# Altium PCB keyboard.PcbDoc (part 2 of 2)
Units mil, origin at the board's own origin, x right, y up, seen from the top; angles counter-clockwise.
Board outline 13687.52 x 5395.09 mil, 2 copper layers (Top Layer, Bottom Layer), stack 61.89 mil thick; 335 components, 198 nets, 879 pads, 640 vias.
Unrouted connection lines stored in the file: 435.
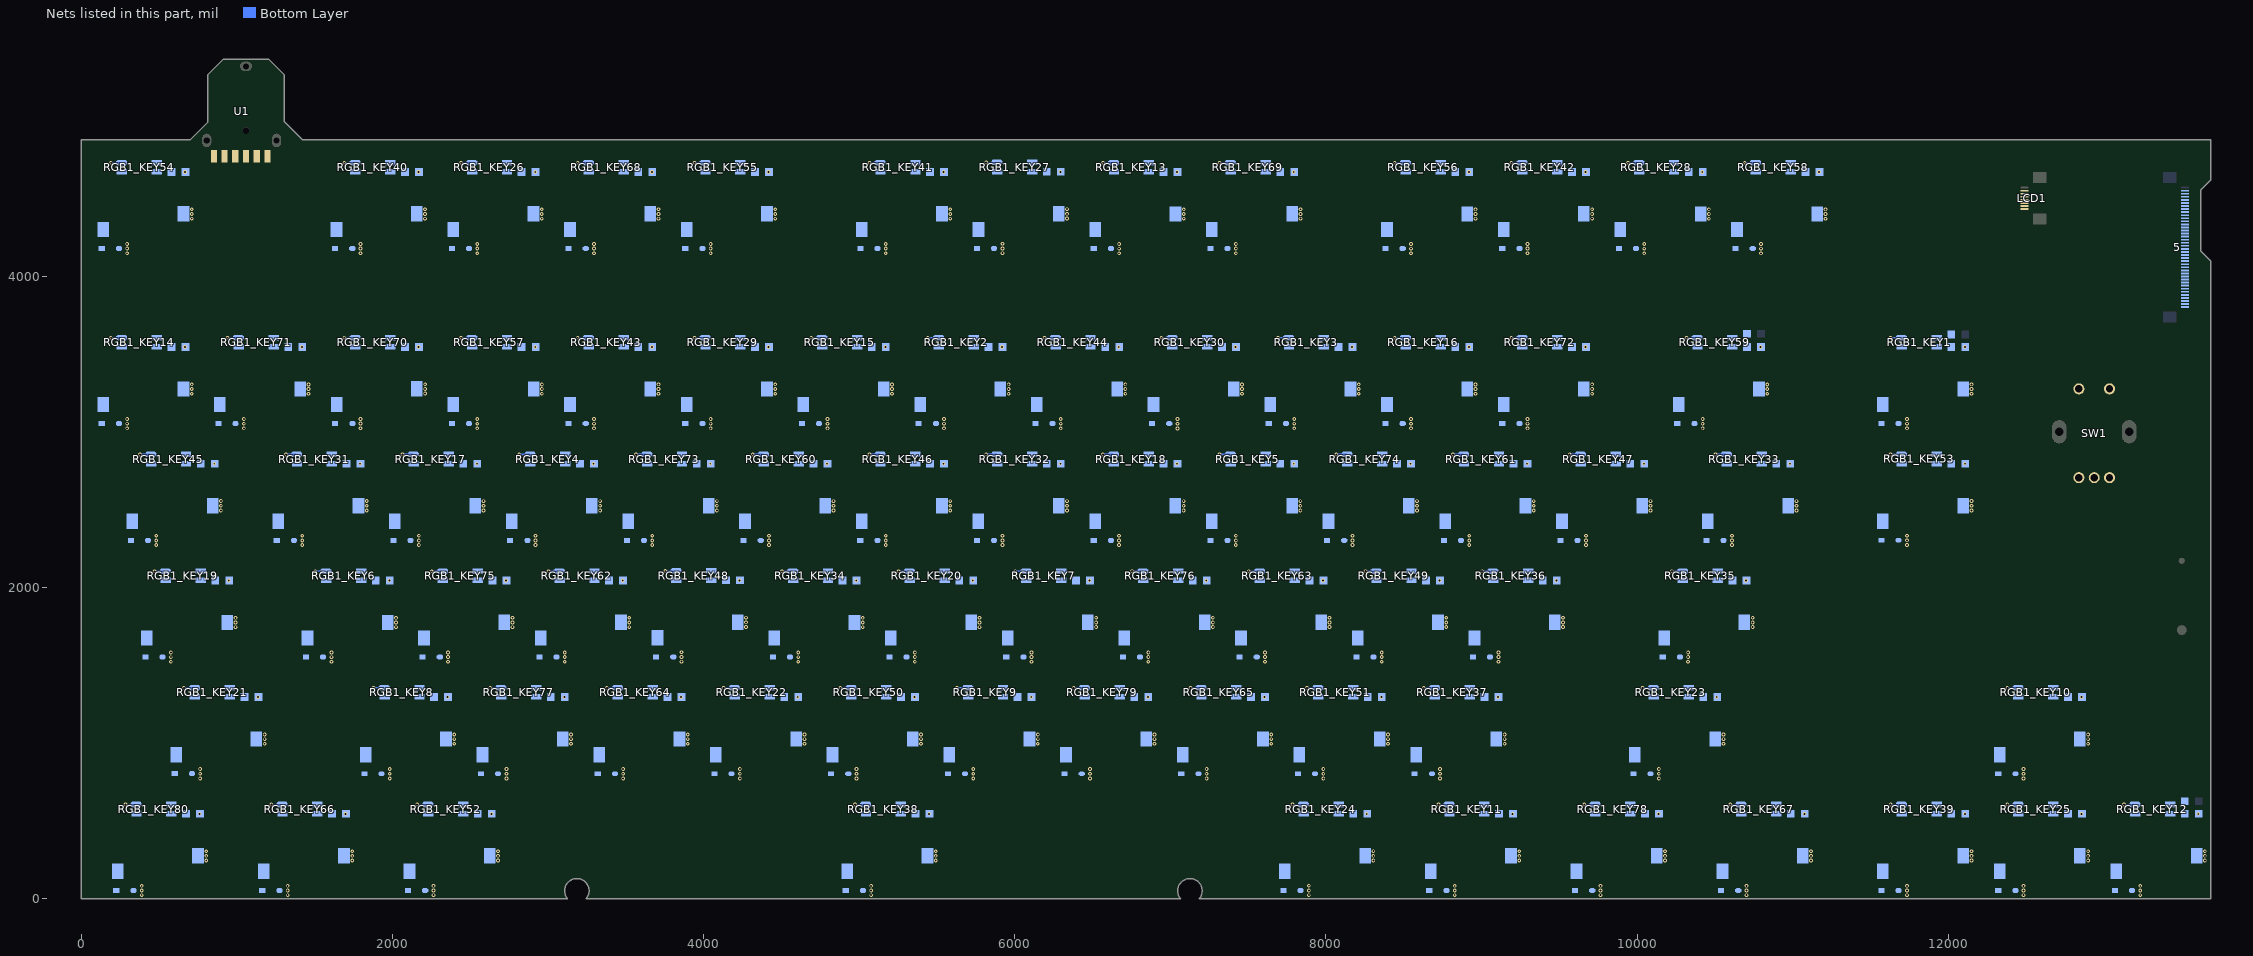
[diagram p2: the nets of this part, all layers, seen from the top]

## Via types
v1: diameter 24, hole 12, Top Layer to Bottom Layer, tented both sides, 640 vias

## Nets (pads, with @x,y where several pads share a name; then routed paths per layer and width w, separated by ;. In a path a pad name is that pad's centre, name@x,y a point inside that pad or via, vN(x,y) a via of type N, cw(c..) or ccw(c..) an arc to the next point about the centre after c; other vN are vias at no path point) (continued)
GND: 5.10 5.25 5.32 C1_KEY1.2 C1_KEY2.2 C1_KEY3.2 C1_KEY4.2 C1_KEY5.2 C1_KEY6.2 C1_KEY7.2 C1_KEY8.2 C1_KEY9.2 C1_KEY10.2 C1_KEY11.2 C1_KEY12.2 C1_KEY13.2 C1_KEY14.2 C1_KEY15.2 C1_KEY16.2 C1_KEY17.2 C1_KEY18.2 C1_KEY19.2 C1_KEY20.2 C1_KEY21.2 C1_KEY22.2 C1_KEY23.2 C1_KEY24.2 C1_KEY25.2 C1_KEY26.2 C1_KEY27.2 C1_KEY28.2 C1_KEY29.2 C1_KEY30.2 C1_KEY31.2 C1_KEY32.2 C1_KEY33.2 C1_KEY34.2 C1_KEY35.2 C1_KEY36.2 C1_KEY37.2 C1_KEY38.2 C1_KEY39.2 C1_KEY40.2 C1_KEY41.2 C1_KEY42.2 C1_KEY43.2 C1_KEY44.2 C1_KEY45.2 C1_KEY46.2 C1_KEY47.2 C1_KEY48.2 C1_KEY49.2 C1_KEY50.2 C1_KEY51.2 C1_KEY52.2 C1_KEY53.2 C1_KEY54.2 C1_KEY55.2 C1_KEY56.2 C1_KEY57.2 C1_KEY58.2 C1_KEY59.2 C1_KEY60.2 C1_KEY61.2 C1_KEY62.2 C1_KEY63.2 C1_KEY64.2 C1_KEY65.2 C1_KEY66.2 C1_KEY67.2 C1_KEY68.2 C1_KEY69.2 C1_KEY70.2 C1_KEY71.2 C1_KEY72.2 C1_KEY73.2 C1_KEY74.2 C1_KEY75.2 C1_KEY76.2 C1_KEY77.2 C1_KEY78.2 C1_KEY79.2 C1_KEY80.2 LCD1.2 RGB1_KEY1.5 RGB1_KEY2.5 RGB1_KEY3.5 RGB1_KEY4.5 RGB1_KEY5.5 RGB1_KEY6.5 RGB1_KEY7.5 RGB1_KEY8.5 RGB1_KEY9.5 RGB1_KEY10.5 RGB1_KEY11.5 RGB1_KEY12.5 RGB1_KEY13.5 RGB1_KEY14.5 RGB1_KEY15.5 RGB1_KEY16.5 RGB1_KEY17.5 RGB1_KEY18.5 RGB1_KEY19.5 RGB1_KEY20.5 RGB1_KEY21.5 RGB1_KEY22.5 RGB1_KEY23.5 RGB1_KEY24.5 RGB1_KEY25.5 RGB1_KEY26.5 RGB1_KEY27.5 RGB1_KEY28.5 RGB1_KEY29.5 RGB1_KEY30.5 RGB1_KEY31.5 RGB1_KEY32.5 RGB1_KEY33.5 RGB1_KEY34.5 RGB1_KEY35.5 RGB1_KEY36.5 RGB1_KEY37.5 RGB1_KEY38.5 RGB1_KEY39.5 RGB1_KEY40.5 RGB1_KEY41.5 RGB1_KEY42.5 RGB1_KEY43.5 RGB1_KEY44.5 RGB1_KEY45.5 RGB1_KEY46.5 RGB1_KEY47.5 RGB1_KEY48.5 RGB1_KEY49.5 RGB1_KEY50.5 RGB1_KEY51.5 RGB1_KEY52.5 RGB1_KEY53.5 RGB1_KEY54.5 RGB1_KEY55.5 RGB1_KEY56.5 RGB1_KEY57.5 RGB1_KEY58.5 RGB1_KEY59.5 RGB1_KEY60.5 RGB1_KEY61.5 RGB1_KEY62.5 RGB1_KEY63.5 RGB1_KEY64.5 RGB1_KEY65.5 RGB1_KEY66.5 RGB1_KEY67.5 RGB1_KEY68.5 RGB1_KEY69.5 RGB1_KEY70.5 RGB1_KEY71.5 RGB1_KEY72.5 RGB1_KEY73.5 RGB1_KEY74.5 RGB1_KEY75.5 RGB1_KEY76.5 RGB1_KEY77.5 RGB1_KEY78.5 RGB1_KEY79.5 RGB1_KEY80.5 SW1.1 SW1.C U1.2 U1.4 U1.5 | length 5325.6
  Bottom Layer w10: v1(191.49,3604.04) RGB1_KEY14.5@258.06,3604.04 ; v1(191.49,4729.04) RGB1_KEY54.5@258.06,4729.04 ; v1(285,604) RGB1_KEY80.5@351.57,604 ; v1(378.72,2853.83) RGB1_KEY45.5@445.29,2853.83 ; v1(472.43,2103.55) RGB1_KEY19.5@539,2103.55 ; v1(660.49,1354.04) RGB1_KEY21.5@727.06,1354.04 ; v1(941.72,3603.83) RGB1_KEY71.5@1008.29,3603.83 ; v1(1223,604) RGB1_KEY66.5@1289.57,604 ; v1(1316.56,2853.83) RGB1_KEY31.5@1383.13,2853.83 ; v1(1504.32,2103.67) RGB1_KEY6.5@1570.89,2103.67 ; v1(1691.49,4729.04) RGB1_KEY40.5@1758.06,4729.04 ; v1(1691.61,3604.6) RGB1_KEY70.5@1758.18,3604.6 ; v1(1879,1354) RGB1_KEY8.5@1945.57,1354 ; v1(2066.32,2853.67) RGB1_KEY17.5@2132.89,2853.67 ; v1(2160,604) RGB1_KEY52.5@2226.57,604 ; v1(2253.72,2103.83) RGB1_KEY75.5@2320.29,2103.83 ; v1(2441.49,4729.04) RGB1_KEY26.5@2508.06,4729.04 ; v1(2441.56,3603.83) RGB1_KEY57.5@2508.13,3603.83 ; v1(2629,1354) RGB1_KEY77.5@2695.57,1354 ; v1(2816.32,2853.67) RGB1_KEY4.5@2882.89,2853.67 ; v1(3003.72,2103.83) RGB1_KEY62.5@3070.29,2103.83 ; v1(3191.49,3604.04) RGB1_KEY43.5@3258.06,3604.04 ; v1(3191.49,4729.04) RGB1_KEY68.5@3258.06,4729.04 ; v1(3379,1354) RGB1_KEY64.5@3445.57,1354 ; v1(3566.32,2853.67) RGB1_KEY73.5@3632.89,2853.67 ; v1(3754.32,2104.67) RGB1_KEY48.5@3820.89,2104.67 ; v1(3941.49,3604.04) RGB1_KEY29.5@4008.06,3604.04 ; v1(3941.49,4729.04) RGB1_KEY55.5@4008.06,4729.04 ; v1(4129,1354) RGB1_KEY22.5@4195.57,1354 ; v1(4316.32,2853.67) RGB1_KEY60.5@4382.89,2853.67 ; v1(4504.32,2103.67) RGB1_KEY34.5@4570.89,2103.67 ; v1(4691.72,3603.83) RGB1_KEY15.5@4758.29,3603.83 ; v1(4879,1354) RGB1_KEY50.5@4945.57,1354 ; v1(4973,604) RGB1_KEY38.5@5039.57,604 ; v1(5066.32,2853.67) RGB1_KEY46.5@5132.89,2853.67 ; v1(5066.49,4729.04) RGB1_KEY41.5@5133.06,4729.04 ; v1(5253.72,2103.83) RGB1_KEY20.5@5320.29,2103.83 ; v1(5441.49,3604.04) RGB1_KEY2.5@5508.06,3604.04 ; v1(5629,1354) RGB1_KEY9.5@5695.57,1354 ; v1(5816.32,2853.67) RGB1_KEY32.5@5882.89,2853.67 ; v1(5816.49,4729.83) RGB1_KEY27.5@5883.06,4729.83 ; v1(6004,2104) RGB1_KEY7.5@6070.57,2104 ; v1(6191.49,3604.04) RGB1_KEY44.5@6258.06,3604.04 ; v1(6379,1354) RGB1_KEY79.5@6445.57,1354 ; v1(6566.32,2853.67) RGB1_KEY18.5@6632.89,2853.67 ; v1(6566.72,4728.83) RGB1_KEY13.5@6633.29,4728.83 ; v1(6754,2104) RGB1_KEY76.5@6820.57,2104 ; v1(6941.61,3603.6) RGB1_KEY30.5@7008.18,3603.6 ; v1(7129,1354) RGB1_KEY65.5@7195.57,1354 ; v1(7316.32,2853.67) RGB1_KEY5.5@7382.89,2853.67 ; v1(7316.49,4729.04) RGB1_KEY69.5@7383.06,4729.04 ; v1(7504,2104) RGB1_KEY63.5@7570.57,2104 ; v1(7691.49,3604.04) RGB1_KEY3.5@7758.06,3604.04 ; v1(7785.49,604.04) RGB1_KEY24.5@7852.06,604.04 ; v1(7879,1354) RGB1_KEY51.5@7945.57,1354 ; v1(8066.32,2853.67) RGB1_KEY74.5@8132.89,2853.67 ; v1(8254,2104) RGB1_KEY49.5@8320.57,2104 ; v1(8441.72,3603.83) RGB1_KEY16.5@8508.29,3603.83 ; v1(8441.72,4728.83) RGB1_KEY56.5@8508.29,4728.83 ; v1(8629,1354) RGB1_KEY37.5@8695.57,1354 ; v1(8723,604) RGB1_KEY11.5@8789.57,604 ; v1(8816.32,2853.67) RGB1_KEY61.5@8882.89,2853.67 ; v1(9004,2104) RGB1_KEY36.5@9070.57,2104 ; v1(9191.49,3604.04) RGB1_KEY72.5@9258.06,3604.04 ; v1(9191.49,4729.04) RGB1_KEY42.5@9258.06,4729.04 ; v1(9566.32,2853.67) RGB1_KEY47.5@9632.89,2853.67 ; v1(9660,604) RGB1_KEY78.5@9726.57,604 ; v1(9941.32,4728.67) RGB1_KEY28.5@10007.89,4728.67 ; v1(10035,1354) RGB1_KEY23.5@10101.57,1354 ; v1(10223,2104) RGB1_KEY35.5@10289.57,2104 ; v1(10316.56,3603.83) RGB1_KEY59.5@10383.13,3603.83 ; v1(10504.32,2853.67) RGB1_KEY33.5@10570.89,2853.67 ; v1(10598,604) RGB1_KEY67.5@10664.57,604 ; v1(10691.32,4728.67) RGB1_KEY58.5@10757.89,4728.67 ; v1(11628.96,2854.07) RGB1_KEY53.5@11695.53,2854.07 ; v1(11628.96,3604.07) RGB1_KEY1.5@11695.53,3604.07 ; v1(11629,604) RGB1_KEY39.5@11695.57,604 ; v1(12379,604) RGB1_KEY25.5@12445.57,604 ; v1(12379,1354) RGB1_KEY10.5@12445.57,1354 ; v1(13129,604) RGB1_KEY12.5@13195.57,604
  other v1: 762.03,544.31 1700.03,544.31 2637.03,544.31 5450.03,544.31 9200.03,544.31 10137.03,544.31 11075.03,544.31 12106.03,544.31 12856.03,544.31 13606.03,544.31 8262.51,544.36 2356.03,1294.31 3106.03,1294.31 3856.03,1294.31 4606.03,1294.31 5356.03,1294.31 6106.03,1294.31 6856.03,1294.31 7606.03,1294.31 8356.03,1294.31 9106.03,1294.31 10512.03,1294.31 12856.03,1294.31 1137.51,1294.36 949.46,2043.86 1981.34,2043.98 2730.74,2044.14 3480.74,2044.14 4981.34,2043.98 5730.74,2044.14 6481.03,2044.31 7231.03,2044.31 7981.03,2044.31 8731.03,2044.31 9481.03,2044.31 10700.03,2044.31 4231.34,2044.98 855.74,2794.14 1793.58,2794.14 2543.34,2793.98 3293.34,2793.98 4043.34,2793.98 4793.34,2793.98 5543.34,2793.98 6293.34,2793.98 7043.34,2793.98 7793.34,2793.98 8543.34,2793.98 9293.34,2793.98 10043.34,2793.98 10981.34,2793.98 12105.99,2794.39 1418.74,3544.14 2918.58,3544.14 5168.74,3544.14 7418.63,3543.92 8918.74,3544.14 10793.58,3544.14 668.51,3544.36 2168.63,3544.92 3668.51,3544.36 4418.51,3544.36 5918.51,3544.36 6668.51,3544.36 8168.51,3544.36 9668.51,3544.36 12105.99,3544.39 7043.74,4669.14 8918.74,4669.14 10418.34,4668.98 11168.34,4668.98 668.51,4669.36 2168.51,4669.36 2918.51,4669.36 3668.51,4669.36 4418.51,4669.36 5543.51,4669.36 6293.51,4670.14 7793.51,4669.36 9668.51,4669.36
KEY_POS1: 5.11 D1_KEY12.2 D1_KEY25.2 D1_KEY39.2 D1_KEY53.2 D1_KEY67.2 D1_KEY78.2
  other v1: 9764.63,21.91 10702.63,21.91 11733.63,21.91 12483.63,21.91 13233.63,21.91 9764.65,51.9 10702.65,51.9 11733.65,51.9 12483.65,51.9 13233.65,51.9 9764.65,81.9 10702.65,81.9 11733.65,81.9 12483.65,81.9 13233.65,81.9 11733.59,2271.98 11733.61,2301.97 11733.61,2331.97
KEY_POS2: 5.12 D1_KEY11.2 D1_KEY24.2 D1_KEY38.2 D1_KEY52.2 D1_KEY66.2 D1_KEY80.2
  other v1: 389.63,21.91 1327.63,21.91 2264.63,21.91 5077.63,21.91 7890.12,21.96 8827.63,21.91 389.65,51.9 1327.65,51.9 2264.65,51.9 5077.65,51.9 7890.13,51.94 8827.65,51.9 389.65,81.9 1327.65,81.9 2264.65,81.9 5077.65,81.9 7890.13,81.94 8827.65,81.9
KEY_POS3: 5.13 D1_KEY10.2 D1_KEY23.2 D1_KEY37.2 D1_KEY51.2 D1_KEY65.2 D1_KEY79.2
  other v1: 6483.63,771.91 7233.63,771.91 7983.63,771.91 8733.63,771.91 10139.63,771.91 12483.63,771.91 6483.65,801.9 7233.65,801.9 7983.65,801.9 8733.65,801.9 10139.65,801.9 12483.65,801.9 6483.65,831.9 7233.65,831.9 7983.65,831.9 8733.65,831.9 10139.65,831.9 12483.65,831.9
KEY_POS4: 5.14 D1_KEY9.2 D1_KEY22.2 D1_KEY36.2 D1_KEY50.2 D1_KEY64.2 D1_KEY77.2
  other v1: 2733.63,771.91 3483.63,771.91 4233.63,771.91 4983.63,771.91 5733.63,771.91 2733.65,801.9 3483.65,801.9 4233.65,801.9 4983.65,801.9 5733.65,801.9 2733.65,831.9 3483.65,831.9 4233.65,831.9 4983.65,831.9 5733.65,831.9 9108.63,1521.91 9108.65,1551.9 9108.65,1581.9
KEY_POS5: 5.15 D1_KEY8.2 D1_KEY21.2 D1_KEY35.2 D1_KEY49.2 D1_KEY63.2 D1_KEY76.2
  other v1: 765.12,771.96 1983.63,771.91 765.13,801.94 1983.65,801.9 765.13,831.94 1983.65,831.9 6858.63,1521.91 7608.63,1521.91 8358.63,1521.91 10327.63,1521.91 6858.65,1551.9 7608.65,1551.9 8358.65,1551.9 10327.65,1551.9 6858.65,1581.9 7608.65,1581.9 8358.65,1581.9 10327.65,1581.9
KEY_POS6: 5.16 D1_KEY7.2 D1_KEY20.2 D1_KEY34.2 D1_KEY48.2 D1_KEY62.2 D1_KEY75.2
  other v1: 2358.35,1521.74 3108.35,1521.74 4608.95,1521.58 5358.35,1521.74 6108.63,1521.91 3858.95,1522.58 2358.36,1551.72 3108.36,1551.72 4608.96,1551.56 5358.36,1551.72 6108.65,1551.9 3858.96,1552.56 2358.36,1581.72 3108.36,1581.72 4608.96,1581.56 5358.36,1581.72 6108.65,1581.9 3858.96,1582.56
KEY_POS7: 5.17 D1_KEY6.2 D1_KEY19.2 D1_KEY33.2 D1_KEY47.2 D1_KEY61.2 D1_KEY74.2
  other v1: 577.06,1521.46 1608.95,1521.58 577.08,1551.44 1608.96,1551.56 577.08,1581.44 1608.96,1581.56 8170.95,2271.58 8920.95,2271.58 9670.95,2271.58 10608.95,2271.58 8170.96,2301.56 8920.96,2301.56 9670.96,2301.56 10608.96,2301.56 8170.96,2331.56 8920.96,2331.56 9670.96,2331.56 10608.96,2331.56
KEY_POS8: 5.18 D1_KEY5.2 D1_KEY18.2 D1_KEY32.2 D1_KEY46.2 D1_KEY60.2 D1_KEY73.2
  other v1: 3670.95,2271.58 4420.95,2271.58 5170.95,2271.58 5920.95,2271.58 6670.95,2271.58 7420.95,2271.58 3670.96,2301.56 4420.96,2301.56 5170.96,2301.56 5920.96,2301.56 6670.96,2301.56 7420.96,2301.56 3670.96,2331.56 4420.96,2331.56 5170.96,2331.56 5920.96,2331.56 6670.96,2331.56 7420.96,2331.56
KEY_POS9: 5.19 D1_KEY4.2 D1_KEY17.2 D1_KEY31.2 D1_KEY45.2 D1_KEY59.2 D1_KEY72.2
  other v1: 483.35,2271.74 1421.19,2271.74 2170.95,2271.58 2920.95,2271.58 483.36,2301.72 1421.2,2301.72 2170.96,2301.56 2920.96,2301.56 483.36,2331.72 1421.2,2331.72 2170.96,2331.56 2920.96,2331.56 9296.12,3021.96 10421.19,3021.74 9296.13,3051.94 10421.2,3051.72 9296.13,3081.94 10421.2,3081.72
KEY_POS10: 5.20 D1_KEY3.2 D1_KEY16.2 D1_KEY30.2 D1_KEY44.2 D1_KEY58.2 D1_KEY71.2
  other v1: 1046.35,3021.74 6296.12,3021.96 7046.24,3021.52 7796.12,3021.96 8546.35,3021.74 1046.36,3051.72 6296.13,3051.94 7046.25,3051.5 7796.13,3051.94 8546.36,3051.72 1046.36,3081.72 6296.13,3081.94 7046.25,3081.5 7796.13,3081.94 8546.36,3081.72 10795.95,4146.58 10795.96,4176.56 10795.96,4206.56
KEY_POS11: 5.21 D1_KEY2.2 D1_KEY15.2 D1_KEY29.2 D1_KEY43.2 D1_KEY57.2 D1_KEY70.2
  other v1: 2546.19,3021.74 3296.12,3021.96 4046.12,3021.96 4796.35,3021.74 5546.12,3021.96 1796.24,3022.52 2546.2,3051.72 3296.13,3051.94 4046.13,3051.94 4796.36,3051.72 5546.13,3051.94 1796.25,3052.5 2546.2,3081.72 3296.13,3081.94 4046.13,3081.94 4796.36,3081.72 5546.13,3081.94 1796.25,3082.5
KEY_POS12: 5.22 D1_KEY1.2 D1_KEY14.2 D1_KEY28.2 D1_KEY42.2 D1_KEY56.2 D1_KEY69.2
  other v1: 296.12,3021.96 11733.59,3021.98 296.13,3051.94 11733.61,3051.97 296.13,3081.94 11733.61,3081.97 7421.12,4146.96 8546.35,4146.74 9296.12,4146.96 10045.95,4146.58 7421.13,4176.94 8546.36,4176.72 9296.13,4176.94 10045.96,4176.56 7421.13,4206.94 8546.36,4206.72 9296.13,4206.94 10045.96,4206.56
KEY_POS13: 5.23 D1_KEY13.2 D1_KEY27.2 D1_KEY41.2 D1_KEY55.2 D1_KEY68.2
  other v1: 3296.12,4146.96 4046.12,4146.96 5171.12,4146.96 6671.35,4146.74 5921.12,4147.74 3296.13,4176.94 4046.13,4176.94 5171.13,4176.94 6671.36,4176.72 5921.13,4177.72 3296.13,4206.94 4046.13,4206.94 5171.13,4206.94 6671.36,4206.72 5921.13,4207.72
KEY_POS14: 5.24 D1_KEY26.2 D1_KEY40.2 D1_KEY54.2
  other v1: 296.12,4146.96 1796.12,4146.96 2546.12,4146.96 296.13,4176.94 1796.13,4176.94 2546.13,4176.94 296.13,4206.94 1796.13,4206.94 2546.13,4206.94
KEY_SEG1: 5.31 KEY_G1_KEY68.1 KEY_G1_KEY69.1 KEY_G1_KEY70.1 KEY_G1_KEY71.1 KEY_G1_KEY72.1 KEY_G1_KEY73.1 KEY_G1_KEY74.1 KEY_G1_KEY75.1 KEY_G1_KEY76.1 KEY_G1_KEY77.1 KEY_G1_KEY78.1 KEY_G1_KEY79.1 KEY_G1_KEY80.1
  other v1: 804.51,244.47 10179.51,244.47 804.53,274.46 10179.53,274.46 804.53,304.46 10179.53,304.46 3148.51,994.47 6898.51,994.47 3148.53,1024.46 6898.53,1024.46 3148.53,1054.46 6898.53,1054.46 2773.23,1744.3 7273.51,1744.47 2773.24,1774.28 7273.53,1774.46 2773.24,1804.28 7273.53,1804.46 4085.83,2494.14 8585.83,2494.14 4085.84,2524.12 8585.84,2524.12 4085.84,2554.12 8585.84,2554.12 1461.23,3244.3 2211.12,3245.08 9711,3244.52 1461.24,3274.28 2211.13,3275.06 9711.01,3274.5 1461.24,3304.28 2211.13,3305.06 9711.01,3304.5 3711,4369.52 7836,4369.52 3711.01,4399.5 7836.01,4399.5 3711.01,4429.5 7836.01,4429.5
KEY_SEG2: 5.30 KEY_G1_KEY54.1 KEY_G1_KEY55.1 KEY_G1_KEY56.1 KEY_G1_KEY57.1 KEY_G1_KEY58.1 KEY_G1_KEY59.1 KEY_G1_KEY60.1 KEY_G1_KEY61.1 KEY_G1_KEY62.1 KEY_G1_KEY63.1 KEY_G1_KEY64.1 KEY_G1_KEY65.1 KEY_G1_KEY66.1 KEY_G1_KEY67.1
  other v1: 1742.51,244.47 11117.51,244.47 1742.53,274.46 11117.53,274.46 1742.53,304.46 11117.53,304.46 3898.51,994.47 7648.51,994.47 3898.53,1024.46 7648.53,1024.46 3898.53,1054.46 7648.53,1054.46 3523.23,1744.3 8023.51,1744.47 3523.24,1774.28 8023.53,1774.46 3523.24,1804.28 8023.53,1804.46 4835.83,2494.14 9335.83,2494.14 4835.84,2524.12 9335.84,2524.12 4835.84,2554.12 9335.84,2554.12 2961.07,3244.3 10836.07,3244.3 2961.08,3274.28 10836.08,3274.28 2961.08,3304.28 10836.08,3304.28 8961.23,4369.3 11210.83,4369.14 711,4369.52 4461,4369.52 8961.24,4399.28 11210.84,4399.12 711.01,4399.5 4461.01,4399.5 8961.24,4429.28 11210.84,4429.12 711.01,4429.5 4461.01,4429.5
KEY_SEG3: 5.29 KEY_G1_KEY40.1 KEY_G1_KEY41.1 KEY_G1_KEY42.1 KEY_G1_KEY43.1 KEY_G1_KEY44.1 KEY_G1_KEY45.1 KEY_G1_KEY46.1 KEY_G1_KEY47.1 KEY_G1_KEY48.1 KEY_G1_KEY49.1 KEY_G1_KEY50.1 KEY_G1_KEY51.1 KEY_G1_KEY52.1 KEY_G1_KEY53.1
  other v1: 2679.51,244.47 2679.53,274.46 2679.53,304.46 5398.51,994.47 8398.51,994.47 5398.53,1024.46 8398.53,1024.46 5398.53,1054.46 8398.53,1054.46 4273.83,1745.14 8773.51,1744.47 4273.84,1775.12 8773.53,1774.46 4273.84,1805.12 8773.53,1804.46 898.23,2494.3 5585.83,2494.14 10085.83,2494.14 12148.48,2494.54 898.24,2524.28 5585.84,2524.12 10085.84,2524.12 12148.49,2524.53 898.24,2554.28 5585.84,2554.12 10085.84,2554.12 12148.49,2554.53 3711,3244.52 6711,3244.52 3711.01,3274.5 6711.01,3274.5 3711.01,3304.5 6711.01,3304.5 2211,4369.52 5586,4369.52 9711,4369.52 2211.01,4399.5 5586.01,4399.5 9711.01,4399.5 2211.01,4429.5 5586.01,4429.5 9711.01,4429.5
KEY_SEG4: 5.28 KEY_G1_KEY26.1 KEY_G1_KEY27.1 KEY_G1_KEY28.1 KEY_G1_KEY29.1 KEY_G1_KEY30.1 KEY_G1_KEY31.1 KEY_G1_KEY32.1 KEY_G1_KEY33.1 KEY_G1_KEY34.1 KEY_G1_KEY35.1 KEY_G1_KEY36.1 KEY_G1_KEY37.1 KEY_G1_KEY38.1 KEY_G1_KEY39.1
  other v1: 5492.51,244.47 12148.51,244.47 5492.53,274.46 12148.53,274.46 5492.53,304.46 12148.53,304.46 9148.51,994.47 9148.53,1024.46 9148.53,1054.46 5023.83,1744.14 9523.51,1744.47 10742.51,1744.47 5023.84,1774.12 9523.53,1774.46 10742.53,1774.46 5023.84,1804.12 9523.53,1804.46 10742.53,1804.46 1836.07,2494.3 6335.83,2494.14 11023.83,2494.14 1836.08,2524.28 6335.84,2524.12 11023.84,2524.12 1836.08,2554.28 6335.84,2554.12 11023.84,2554.12 7461.12,3244.08 4461,3244.52 7461.13,3274.06 4461.01,3274.5 7461.13,3304.06 4461.01,3304.5 10460.83,4369.14 2961,4369.52 6336,4370.3 10460.84,4399.12 2961.01,4399.5 6336.01,4400.28 10460.84,4429.12 2961.01,4429.5 6336.01,4430.28
KEY_SEG5: 5.27 KEY_G1_KEY13.1 KEY_G1_KEY14.1 KEY_G1_KEY15.1 KEY_G1_KEY16.1 KEY_G1_KEY17.1 KEY_G1_KEY18.1 KEY_G1_KEY19.1 KEY_G1_KEY20.1 KEY_G1_KEY21.1 KEY_G1_KEY22.1 KEY_G1_KEY23.1 KEY_G1_KEY24.1 KEY_G1_KEY25.1
  other v1: 8305,244.52 12898.51,244.47 8305.01,274.5 12898.53,274.46 8305.01,304.5 12898.53,304.46 1180,994.52 4648.51,994.47 10554.51,994.47 1180.01,1024.5 4648.53,1024.46 10554.53,1024.46 1180.01,1054.5 4648.53,1054.46 10554.53,1054.46 991.95,1744.02 5773.23,1744.3 991.96,1774 5773.24,1774.28 991.96,1804 5773.24,1804.28 2585.83,2494.14 7085.83,2494.14 2585.84,2524.12 7085.84,2524.12 2585.84,2554.12 7085.84,2554.12 5211.23,3244.3 8961.23,3244.3 711,3244.52 5211.24,3274.28 8961.24,3274.28 711.01,3274.5 5211.24,3304.28 8961.24,3304.28 711.01,3304.5 7086.23,4369.3 7086.24,4399.28 7086.24,4429.28
KEY_SEG6: 5.26 KEY_G1_KEY1.1 KEY_G1_KEY2.1 KEY_G1_KEY3.1 KEY_G1_KEY4.1 KEY_G1_KEY5.1 KEY_G1_KEY6.1 KEY_G1_KEY7.1 KEY_G1_KEY8.1 KEY_G1_KEY9.1 KEY_G1_KEY10.1 KEY_G1_KEY11.1 KEY_G1_KEY12.1
  other v1: 9242.51,244.47 13648.51,244.47 9242.53,274.46 13648.53,274.46 9242.53,304.46 13648.53,304.46 2398.51,994.47 6148.51,994.47 12898.51,994.47 2398.53,1024.46 6148.53,1024.46 12898.53,1024.46 2398.53,1054.46 6148.53,1054.46 12898.53,1054.46 2023.83,1744.14 6523.51,1744.47 2023.84,1774.12 6523.53,1774.46 2023.84,1804.12 6523.53,1804.46 3335.83,2494.14 7835.83,2494.14 3335.84,2524.12 7835.84,2524.12 3335.84,2554.12 7835.84,2554.12 5961,3244.52 8211,3244.52 12148.48,3244.54 5961.01,3274.5 8211.01,3274.5 12148.49,3274.53 5961.01,3304.5 8211.01,3304.5 12148.49,3304.53
LEDA: 5.34 LCD1.1
LEFT_A: 5.2 U1.6
LEFT_B: 5.1 U1.1
LEFT_KEY: 5.6 U1.3
NET_TO1: RGB1_KEY67.6 RGB1_KEY68.4
NET_TO2: RGB1_KEY39.6 RGB1_KEY40.4
NET_TO3: RGB1_KEY12.6 RGB1_KEY13.4
NetD1_KEY1_1: D1_KEY1.1 KEY_G1_KEY1.2
NetD1_KEY2_1: D1_KEY2.1 KEY_G1_KEY2.2
NetD1_KEY3_1: D1_KEY3.1 KEY_G1_KEY3.2
NetD1_KEY4_1: D1_KEY4.1 KEY_G1_KEY4.2
NetD1_KEY5_1: D1_KEY5.1 KEY_G1_KEY5.2
NetD1_KEY6_1: D1_KEY6.1 KEY_G1_KEY6.2
NetD1_KEY7_1: D1_KEY7.1 KEY_G1_KEY7.2
NetD1_KEY8_1: D1_KEY8.1 KEY_G1_KEY8.2
NetD1_KEY9_1: D1_KEY9.1 KEY_G1_KEY9.2
NetD1_KEY10_1: D1_KEY10.1 KEY_G1_KEY10.2
NetD1_KEY11_1: D1_KEY11.1 KEY_G1_KEY11.2
NetD1_KEY12_1: D1_KEY12.1 KEY_G1_KEY12.2
NetD1_KEY13_1: D1_KEY13.1 KEY_G1_KEY13.2
NetD1_KEY14_1: D1_KEY14.1 KEY_G1_KEY14.2
NetD1_KEY15_1: D1_KEY15.1 KEY_G1_KEY15.2
NetD1_KEY16_1: D1_KEY16.1 KEY_G1_KEY16.2
NetD1_KEY17_1: D1_KEY17.1 KEY_G1_KEY17.2
NetD1_KEY18_1: D1_KEY18.1 KEY_G1_KEY18.2
NetD1_KEY19_1: D1_KEY19.1 KEY_G1_KEY19.2
NetD1_KEY20_1: D1_KEY20.1 KEY_G1_KEY20.2
NetD1_KEY21_1: D1_KEY21.1 KEY_G1_KEY21.2
NetD1_KEY22_1: D1_KEY22.1 KEY_G1_KEY22.2
NetD1_KEY23_1: D1_KEY23.1 KEY_G1_KEY23.2
NetD1_KEY24_1: D1_KEY24.1 KEY_G1_KEY24.2
NetD1_KEY25_1: D1_KEY25.1 KEY_G1_KEY25.2
NetD1_KEY26_1: D1_KEY26.1 KEY_G1_KEY26.2
NetD1_KEY27_1: D1_KEY27.1 KEY_G1_KEY27.2
NetD1_KEY28_1: D1_KEY28.1 KEY_G1_KEY28.2
NetD1_KEY29_1: D1_KEY29.1 KEY_G1_KEY29.2
NetD1_KEY30_1: D1_KEY30.1 KEY_G1_KEY30.2
NetD1_KEY31_1: D1_KEY31.1 KEY_G1_KEY31.2
NetD1_KEY32_1: D1_KEY32.1 KEY_G1_KEY32.2
NetD1_KEY33_1: D1_KEY33.1 KEY_G1_KEY33.2
NetD1_KEY34_1: D1_KEY34.1 KEY_G1_KEY34.2
NetD1_KEY35_1: D1_KEY35.1 KEY_G1_KEY35.2
NetD1_KEY36_1: D1_KEY36.1 KEY_G1_KEY36.2
NetD1_KEY37_1: D1_KEY37.1 KEY_G1_KEY37.2
NetD1_KEY38_1: D1_KEY38.1 KEY_G1_KEY38.2
NetD1_KEY39_1: D1_KEY39.1 KEY_G1_KEY39.2
NetD1_KEY40_1: D1_KEY40.1 KEY_G1_KEY40.2
NetD1_KEY41_1: D1_KEY41.1 KEY_G1_KEY41.2
NetD1_KEY42_1: D1_KEY42.1 KEY_G1_KEY42.2
NetD1_KEY43_1: D1_KEY43.1 KEY_G1_KEY43.2
NetD1_KEY44_1: D1_KEY44.1 KEY_G1_KEY44.2
NetD1_KEY45_1: D1_KEY45.1 KEY_G1_KEY45.2
NetD1_KEY46_1: D1_KEY46.1 KEY_G1_KEY46.2
NetD1_KEY47_1: D1_KEY47.1 KEY_G1_KEY47.2
NetD1_KEY48_1: D1_KEY48.1 KEY_G1_KEY48.2
NetD1_KEY49_1: D1_KEY49.1 KEY_G1_KEY49.2
NetD1_KEY50_1: D1_KEY50.1 KEY_G1_KEY50.2
NetD1_KEY51_1: D1_KEY51.1 KEY_G1_KEY51.2
NetD1_KEY52_1: D1_KEY52.1 KEY_G1_KEY52.2
NetD1_KEY53_1: D1_KEY53.1 KEY_G1_KEY53.2
NetD1_KEY54_1: D1_KEY54.1 KEY_G1_KEY54.2
NetD1_KEY55_1: D1_KEY55.1 KEY_G1_KEY55.2
NetD1_KEY56_1: D1_KEY56.1 KEY_G1_KEY56.2
NetD1_KEY57_1: D1_KEY57.1 KEY_G1_KEY57.2
NetD1_KEY58_1: D1_KEY58.1 KEY_G1_KEY58.2
NetD1_KEY59_1: D1_KEY59.1 KEY_G1_KEY59.2
NetD1_KEY60_1: D1_KEY60.1 KEY_G1_KEY60.2
NetD1_KEY61_1: D1_KEY61.1 KEY_G1_KEY61.2
NetD1_KEY62_1: D1_KEY62.1 KEY_G1_KEY62.2
NetD1_KEY63_1: D1_KEY63.1 KEY_G1_KEY63.2
NetD1_KEY64_1: D1_KEY64.1 KEY_G1_KEY64.2
NetD1_KEY65_1: D1_KEY65.1 KEY_G1_KEY65.2
NetD1_KEY66_1: D1_KEY66.1 KEY_G1_KEY66.2
NetD1_KEY67_1: D1_KEY67.1 KEY_G1_KEY67.2
NetD1_KEY68_1: D1_KEY68.1 KEY_G1_KEY68.2
NetD1_KEY69_1: D1_KEY69.1 KEY_G1_KEY69.2
NetD1_KEY70_1: D1_KEY70.1 KEY_G1_KEY70.2
NetD1_KEY71_1: D1_KEY71.1 KEY_G1_KEY71.2
NetD1_KEY72_1: D1_KEY72.1 KEY_G1_KEY72.2
NetD1_KEY73_1: D1_KEY73.1 KEY_G1_KEY73.2
NetD1_KEY74_1: D1_KEY74.1 KEY_G1_KEY74.2
NetD1_KEY75_1: D1_KEY75.1 KEY_G1_KEY75.2
NetD1_KEY76_1: D1_KEY76.1 KEY_G1_KEY76.2
NetD1_KEY77_1: D1_KEY77.1 KEY_G1_KEY77.2
NetD1_KEY78_1: D1_KEY78.1 KEY_G1_KEY78.2
NetD1_KEY79_1: D1_KEY79.1 KEY_G1_KEY79.2
NetD1_KEY80_1: D1_KEY80.1 KEY_G1_KEY80.2
NetR1_1: R1.1 RGB1_KEY54.4
NetR2_1: R2.1 RGB1_KEY26.4
NetR3_1: R3.1 RGB1_KEY1.4
NetRGB1_KEY2_4: RGB1_KEY1.6 RGB1_KEY2.4
NetRGB1_KEY3_4: RGB1_KEY2.6 RGB1_KEY3.4
NetRGB1_KEY4_4: RGB1_KEY3.6 RGB1_KEY4.4
NetRGB1_KEY5_4: RGB1_KEY4.6 RGB1_KEY5.4
NetRGB1_KEY6_4: RGB1_KEY5.6 RGB1_KEY6.4